# Altium PCB RF-BPF.PcbDoc (part 2 of 3)
Units mm, origin at the board's own origin, x right, y up, seen from the top; angles counter-clockwise.
Board outline 170 x 77.5 mm, 2 copper layers (Top Layer, Top, Bottom Layer, Bottom), stack 1.671 mm thick; 222 components, 128 nets, 706 pads, 1611 vias.
Unrouted connection lines stored in the file: 29.
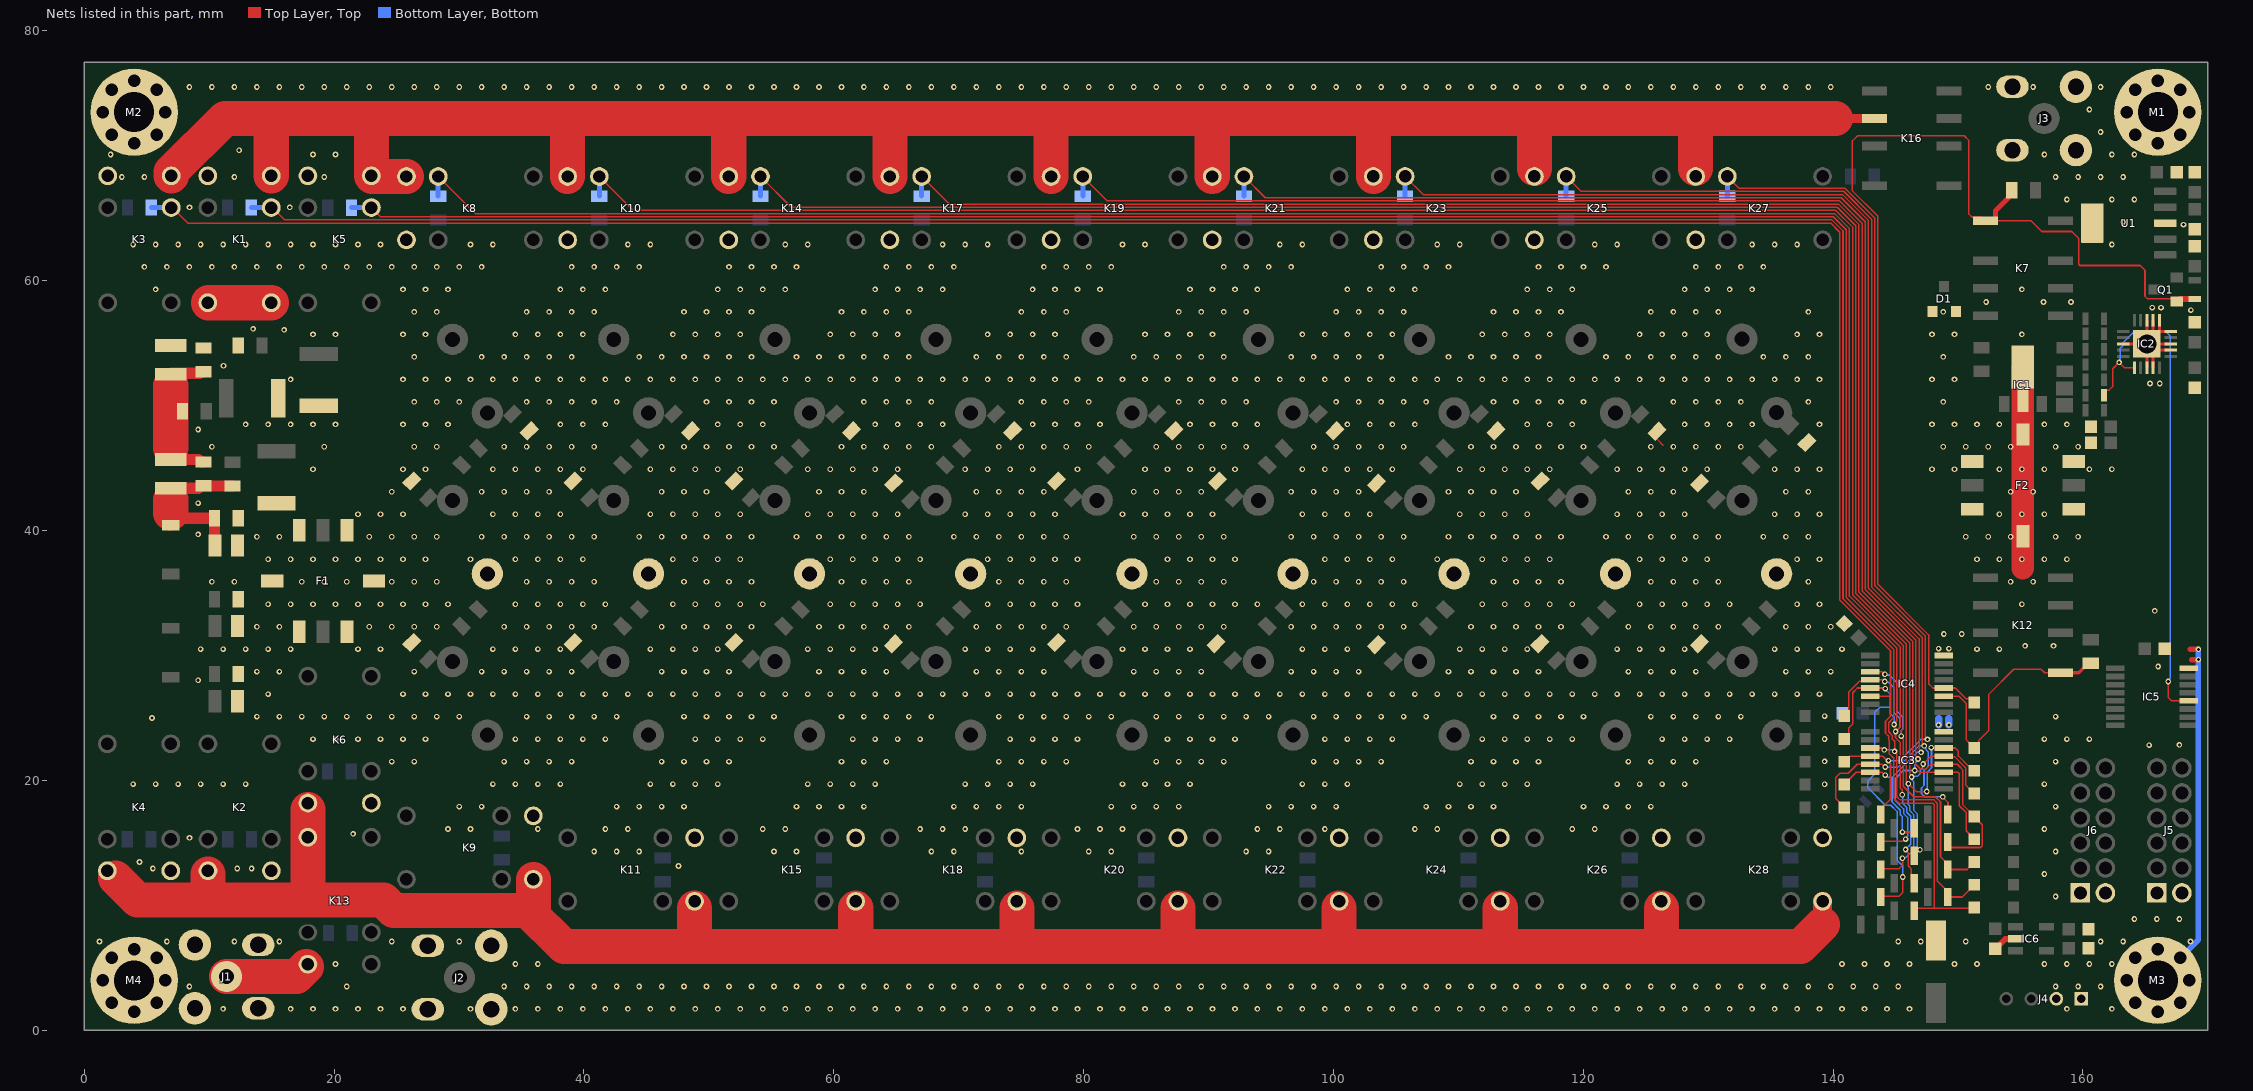
[diagram p2: the nets of this part, all layers, seen from the top]

## Via types
v1: diameter 0.45, hole 0.25, Top Layer, Top to Bottom Layer, Bottom, tented both sides, 1611 vias

## Nets (pads, with @x,y where several pads share a name; then routed paths per layer and width w, separated by ;. In a path a pad name is that pad's centre, name@x,y a point inside that pad or via, vN(x,y) a via of type N, cw(c..) or ccw(c..) an arc to the next point about the centre after c; other vN are vias at no path point) (continued)
ATT_16: IC2.1 IC5.12 R4.1 | length 41.4
  Top Layer, Top w0.127: R4.1@161.7,50.85 161.7,51.063 161.887,51.25 162.1,51.25 162.395,51.544 162.395,52.968 v1(162.9,53.473) ; v1@162.863,53.437 162.936,53.437 163.323,53.05 IC2.1@164.125,53.05 ; v1(166.838,27.92) 166.838,26.637 167.1,26.375 IC5.12@168.46,26.375
  Bottom Layer, Bottom w0.127: v1(162.9,53.473) 162.961,53.535 162.961,53.711 163,53.75 163,54.594 163.249,54.842 163.249,55.071 164.078,55.9 166.675,55.9 167,55.575 167,28.156 166.838,27.994 v1(166.838,27.92)
BPF_IN: K1.10 K3.10 K5.10 K8.10 K10.10 K14.10 K16.6 K17.10 K19.10 K21.10 K23.10 K25.10 K27.10 | length 186.3
  Top Layer, Top w0.7: 140.2,73 K16.6@143.3,73
  Top Layer, Top w2.814: K3.10@6.965,68.405 6.965,68.702 11.263,73 14.978,73 ; K1.10@14.978,68.405 14.978,73 ; K8.10@25.8,68.35 23.045,68.35 K5.10@22.99,68.405 22.99,73 ; K10.10@38.7,68.35 38.7,73 ; K14.10@51.6,68.35 51.6,73 ; K17.10@64.5,68.35 64.5,73 ; K19.10@77.4,68.35 77.4,73 ; K21.10@90.3,68.35 90.3,73 ; K23.10@103.2,68.354 103.2,73 ; K25.10@116.095,69 116.095,73 ; K27.10@129,69 129,73 ; 140.2,73 129,73 ; 14.978,73 22.99,73 ; 22.99,73 38.7,73 ; 38.7,73 51.6,73 ; 51.6,73 64.5,73 ; 64.5,73 77.4,73 ; 77.4,73 90.3,73 ; 90.3,73 103.2,73 ; 103.2,73 116.095,73 ; 116.095,73 129,73
BPF_OFF: C13.1 D13.2 IC4.6 K3.9 L10.1 | length 201.7
  Top Layer, Top w0.127: K3.9@6.965,65.865 7.04,65.865 8.285,64.619 139.805,64.619 140.546,63.879 140.546,34.443 144.602,30.387 144.602,26.75 ; IC4.6@142.99,26.75 144.602,26.75 ; L10.1@146.5,9.575 146.685,9.76 148.09,9.76 ; D13.2@151.3,9.825 151.235,9.76 148.09,9.76 ; 144.602,26.75 144.602,25.143 144.196,24.737 144.196,23.792 144.45,23.538 144.45,23.251 144.514,23.186 144.514,22.111 144.852,21.773 144.852,18.598 145.025,18.425 145.26,18.19 147.979,18.19 148.09,18.079 148.09,9.76
  Bottom Layer, Bottom w0.4: C13.1@5.375,65.865 K3.9@6.965,65.865
BPF_OUT: K2.10 K4.10 K6.10 K9.10 K11.10 K13.6 K15.10 K18.10 K20.10 K22.10 K24.10 K26.10 K28.10 | length 175
  Top Layer, Top w1.5: 139.16,8.46 K28.10@139.16,10.324
  Top Layer, Top w2.814: 2.5,12.2 4.275,10.425 9.925,10.425 ; K2.10@9.91,12.514 9.91,10.44 9.925,10.425 ; K6.10@17.91,17.689 K13.6@17.91,15.455 17.91,10.425 ; 35.35,9.75 35.5,9.6 ; 35.955,9.78 K9.10@35.955,12.085 ; K11.10@48.86,9.775 48.86,6.715 48.875,6.7 ; K15.10@61.76,9.775 61.76,6.74 61.8,6.7 ; K18.10@74.66,9.775 74.66,6.715 74.675,6.7 ; K20.10@87.56,9.775 87.56,6.765 87.625,6.7 ; K22.10@100.46,9.775 100.46,6.71 100.45,6.7 ; K24.10@113.36,9.775 113.36,6.735 113.325,6.7 ; K26.10@126.26,9.775 126.26,6.76 126.2,6.7 ; 139.16,8.46 137.4,6.7 126.2,6.7 ; 9.925,10.425 17.91,10.425 ; 17.91,10.425 23.95,10.425 24.775,9.6 35.5,9.6 ; 35.5,9.6 38.4,6.7 48.875,6.7 ; 48.875,6.7 61.8,6.7 ; 61.8,6.7 74.675,6.7 ; 74.675,6.7 87.625,6.7 ; 87.625,6.7 100.45,6.7 ; 100.45,6.7 113.325,6.7 ; 113.325,6.7 126.2,6.7
BPF_OUT0: C8.1 D2.2 IC3.3 K1.9 L9.1 | length 191.4
  Top Layer, Top w0.127: K1.9@15.065,65.865 16.056,64.873 139.911,64.873 140.8,63.984 140.8,34.549 144.856,30.493 144.856,25.038 144.45,24.632 144.45,23.897 144.744,23.603 144.744,23.316 144.93,23.13 v1(144.93,22.325) ; IC3.3@142.99,22.6 143.875,22.6 144.024,22.451 v1(144.099,22.451) ; v1@144.925,22.325 144.925,22.27 145.106,22.089 145.106,18.704 145.365,18.444 148.084,18.444 148.344,18.184 148.344,11.956 149.2,11.1 L9.1@149.2,10.675 150.35,10.675 151.3,11.625 D2.2@151.3,11.65
  Bottom Layer, Bottom w0.127: v1(144.099,22.451) 144.716,22.451 144.843,22.325 v1(144.93,22.325)
  Bottom Layer, Bottom w0.4: C8.1@13.375,65.875 13.385,65.865 K1.9@14.978,65.865
BPF_OUT1: C96.1 D3.2 IC3.4 K27.9 L49.1 | length 70.7
  Top Layer, Top w0.127: K27.9@131.54,68.354 132.48,67.413 140.963,67.413 143.34,65.036 143.34,35.601 147.396,31.545 147.396,23.522 147.558,23.361 v1(147.558,23.286) ; D3.2@140.9,21.5 140.9,21.525 141.325,21.95 143.985,21.95 144.347,21.588 144.353,21.593 v1(144.429,21.593) ; L49.1@143.8,17.275 143.8,17.7 144.598,18.498 144.598,21.337 v1@144.385,21.549
  Bottom Layer, Bottom w0.127: v1(144.429,21.593) 145.343,21.593 147.036,23.286 v1(147.558,23.286)
  Bottom Layer, Bottom w0.4: C96.1@131.525,66.775 131.54,66.79 K27.9@131.54,68.354
BPF_OUT2: C89.1 D4.2 IC3.5 K25.9 L45.1 | length 89.9
  Top Layer, Top w0.127: K25.9@118.635,68.354 119.829,67.159 140.858,67.159 143.086,64.931 143.086,35.496 147.142,31.44 147.142,22.93 v1(147.304,22.768) ; D4.2@140.9,17.85 140.9,17.875 140.223,18.552 140.223,20.244 140.554,20.575 141.221,20.575 141.946,21.3 IC3.5@142.99,21.3 143.921,21.3 144.146,21.075 v1(144.175,21.075) ; v1(148.784,18.691) 148.784,18.654 149.2,18.238 L45.1@149.2,17.275
  Bottom Layer, Bottom w0.127: v1(144.175,21.075) 145.191,21.075 146.884,22.768 v1(147.304,22.768) 147.304,22.681 147.449,22.535 147.449,22.462 147.631,22.281 147.631,21.118 147.279,20.767 147.279,19.604 147.081,19.406 147.081,18.942 147.332,18.691 v1(148.784,18.691)
  Bottom Layer, Bottom w0.4: C89.1@118.635,66.775 K25.9@118.635,68.354
BPF_OUT3: C79.1 D5.2 IC3.6 K23.9 L41.1 | length 97.9
  Top Layer, Top w0.127: K23.9@105.74,68.354 107.189,66.905 140.752,66.905 142.832,64.826 142.832,35.39 146.888,31.334 146.888,22.486 147.05,22.324 v1(147.05,22.25) ; D5.2@140.9,19.675 140.9,19.7 141.85,20.65 IC3.6@142.99,20.65 143.921,20.65 144.145,20.426 v1(144.182,20.426)
  Top Layer, Top w0.2: v1(145.552,15.863) 146.3,15.863 146.5,16.063 L41.1@146.5,16.175
  Bottom Layer, Bottom w0.127: v1(144.182,20.426) 144.238,20.426 144.418,20.246 144.721,20.246 ; v1(145.552,15.863) 145.552,17.09 145.39,17.252 145.39,17.619 144.721,18.288 144.721,20.246 ; v1(147.05,22.25) 147.046,22.246 146.721,22.246 144.721,20.246
  Bottom Layer, Bottom w0.4: C79.1@105.74,66.775 K23.9@105.74,68.354
BPF_OUT4: C66.1 D9.2 IC3.11 K21.9 L37.1 | length 117.3
  Top Layer, Top w0.127: K21.9@92.84,68.35 94.538,66.651 140.647,66.651 142.578,64.721 142.578,35.285 146.634,31.229 146.634,21.952 146.796,21.79 v1(146.796,21.716) ; L37.1@143.8,15.075 143.87,15.144 145.57,15.144 145.732,15.306 v1(145.806,15.306) ; v1(146.542,20.796) 146.603,20.734 146.832,20.734 146.916,20.65 IC3.11@148.86,20.65 150,20.65 150.113,20.537 150.113,17.978 150.659,17.431 150.659,15.966 151.3,15.325 D9.2@151.3,15.3
  Bottom Layer, Bottom w0.127: v1(145.806,15.306) 145.806,15.38 145.968,15.542 145.968,17.034 145.644,17.357 145.644,17.724 144.975,18.393 144.975,20.141 145.63,20.796 146.446,20.796 v1@146.5,20.85 ; v1(146.542,20.796) 146.542,20.808 v1@146.5,20.85 ; v1(146.796,21.716) 146.796,21.638 146.542,21.384 146.542,20.892 v1@146.5,20.85
  Bottom Layer, Bottom w0.4: C66.1@92.84,66.775 K21.9@92.84,68.35
BPF_OUT5: C58.1 D8.2 IC3.12 K19.9 L33.1 | length 124.7
  Top Layer, Top w0.127: K19.9@79.94,68.35 81.892,66.397 140.542,66.397 142.324,64.615 142.324,35.18 146.38,31.124 146.38,21.545 147.021,20.904 147.429,20.904 147.8,21.275 IC3.12@148.885,21.275 ; IC3.12@148.86,21.3 149.941,21.3 150.151,21.089 150.367,20.874 150.367,18.083 151.3,17.15 D8.2@151.3,17.125 151.3,17.1 151.94,16.46 151.94,14.746 151.829,14.635 149.437,14.635 149.2,14.871 L33.1@149.2,15.075
  Bottom Layer, Bottom w0.4: C58.1@79.94,66.775 K19.9@79.94,68.35
BPF_OUT6: C50.1 D7.2 IC3.13 K17.9 L29.1 | length 139.2
  Top Layer, Top w0.127: K17.9@67.04,68.35 69.246,66.143 140.437,66.143 142.07,64.51 142.07,35.075 146.126,31.019 146.126,20.527 146.288,20.365 v1(146.288,20.278) ; v1(147.215,21.32) 147.846,21.95 IC3.13@148.86,21.95 148.898,21.912 149.716,21.912 150.405,21.222 150.621,21.007 150.621,19.629 150.888,19.362 150.913,19.362 151.3,18.975 D7.2@151.3,18.95
  Top Layer, Top w0.3: L29.1@146.5,13.975 146.5,14.302 146.65,14.452 v1(146.948,14.452)
  Bottom Layer, Bottom w0.127: v1(146.948,14.452) 146.948,14.494 146.73,14.712 146.73,17.35 146.449,17.63 146.449,19.913 146.349,20.013 146.349,20.216 v1(146.288,20.278) 146.349,20.34 146.765,20.34 146.98,20.555 146.98,20.827 147.177,21.024 147.177,21.282 v1(147.215,21.32)
  Bottom Layer, Bottom w0.4: C50.1@67.04,66.775 K17.9@67.04,68.35
BPF_OUT7: C41.1 D6.2 IC3.14 K14.9 L25.1 | length 156.3
  Top Layer, Top w0.127: K14.9@54.14,68.35 56.6,65.889 140.332,65.889 141.816,64.405 141.816,34.97 145.872,30.914 145.872,19.903 146.661,19.114 v1(147.497,19.114) ; L25.1@143.8,12.875 143.87,12.945 145.294,12.945 145.584,13.234 145.584,13.742 v1(145.552,13.775) ; v1(147.865,22.634) 148.826,22.634 IC3.14@148.86,22.6 149.775,22.6 150.035,22.34 150.035,21.952 150.801,21.187 150.913,21.187 151.3,20.8 D6.2@151.3,20.775
  Bottom Layer, Bottom w0.127: v1(145.552,13.775) 145.607,13.83 145.83,13.83 146.475,14.475 146.475,14.782 146.476,17.244 146.152,17.567 146.152,17.934 146.034,18.053 v1(146.034,19.741) ; v1(147.497,19.114) 147.533,19.151 147.533,20.662 147.885,21.013 147.885,22.614 v1(147.865,22.634)
  Bottom Layer, Bottom w0.4: C41.1@54.14,66.775 K14.9@54.14,68.35
BPF_OUT8: C31.1 D10.2 IC4.3 K10.9 L20.1 | length 169.3
  Top Layer, Top w0.127: K10.9@41.24,68.35 43.954,65.635 140.226,65.635 141.562,64.3 141.562,34.864 145.618,30.808 145.618,24.165 145.456,24.004 145.456,23.669 145.525,23.6 v1@145.475,23.55 ; IC4.3@142.99,28.7 143.921,28.7 144.117,28.503 v1(144.153,28.503) ; v1(145.456,23.55) 145.456,23.476 145.618,23.314 145.618,19.532 146.452,18.698 148.189,18.698 148.598,18.289 148.598,13.902 149.2,13.3 L20.1@149.2,12.875 ; L20.1@149.437,12.459 149.2,12.695 L20.1@149.2,12.875 ; D10.2@151.3,13.475 151.3,13.45 150.725,12.875 L20.1@149.2,12.875
  Bottom Layer, Bottom w0.127: v1(144.153,28.503) 144.215,28.441 144.499,28.441 145.1,27.84 145.1,25.563 145.594,25.069 145.594,24.141 145.456,24.004 v1(145.456,23.55)
  Bottom Layer, Bottom w0.4: C31.1@41.24,66.775 K10.9@41.24,68.35
BPF_OUT9: C24.1 D11.2 IC4.4 K8.9 L16.1 | length 181.7
  Top Layer, Top w0.127: K8.9@28.34,68.35 31.308,65.381 140.121,65.381 141.308,64.195 141.308,34.759 145.364,30.703 145.364,24.271 v1@144.998,23.904 ; D11.2@140.9,25.15 141.25,25.5 141.25,27.075 142.134,27.959 142.899,27.959 IC4.4@142.99,28.05 143.932,28.05 144.056,27.926 v1(144.143,27.926) ; v1(145.014,23.92) v1@144.998,23.904 ; v1(145.537,18.86) 145.537,19.254 145.364,19.427 145.364,23.055 144.998,23.421 v1@144.998,23.904 ; v1(145.809,14.475) 145.809,14.388 146.01,14.187 146.01,13.171 146.264,12.917 146.264,12.011 L16.1@146.5,11.775
  Bottom Layer, Bottom w0.127: v1(144.143,27.926) 144.194,27.875 144.425,27.875 144.846,27.454 144.846,25.458 145.34,24.964 145.34,24.246 v1(145.014,23.92) ; v1(145.537,18.86) 145.593,18.804 145.593,18.135 145.898,17.829 145.898,17.462 146.222,17.139 146.222,14.887 v1(145.809,14.475)
  Bottom Layer, Bottom w0.4: C24.1@28.34,66.775 K8.9@28.34,68.35
DAC: J1.5 K13.10 | length 6.7
  Top Layer, Top w2.814: J1.5@11.4,4.3 16.991,4.3 K13.10@17.78,5.089
GND: C10.2 C11.2 C12.2 C19.1 C20.1 C25.2 C26.2 C28.2 C32.2 C33.2 C35.2 C42.2 C43.2 C45.2 C46.2 C47.2 C51.2 C52.2 C54.2 C55.2 C59.2 C60.2 C62.2 C63.2 C67.2 C68.2 C70.2 C71.2 C72.1 C73.1 C74.1 C75.1 C78.2 C80.2 C81.2 C83.2 C84.1 C85.1 C86.1 C90.2 C91.2 C93.2 C97.2 C98.2 C100.2 D1.1 D1.2 F1.1 F1.3 F1.4 F1.5 F1.7 F1.8 F2.1 F2.3 F2.4 F2.5 F2.7 F2.8 IC1.2 IC1.4 IC2.3 IC2.4 IC2.7 IC2.8 IC2.10 IC2.11 IC2.12 IC2.13 IC2.18 IC2.21 IC3.16 IC4.16 IC5.16 IC6.2 J1.1 J1.2 J1.3 J1.4 J2.1 J2.2 J2.3 J2.4 J3.1 J3.2 J3.3 J3.4 J4.1 J4.2 J5.1 J5.2 J6.1 J6.2 K1.1 K2.1 K3.1 K4.1 K5.1 K6.1 K8.1 K9.1 K10.1 K11.1 K14.1 K15.1 K17.1 K18.1 K19.1 K20.1 K21.1 K22.1 K23.1 K24.1 K25.1 K26.1 K27.1 K28.1 L3.1 L4.1 L5.1 L6.1 L7.1 L8.1 L15.1 L19.1 L24.1 L28.1 L32.1 L36.1 L40.1 L44.1 L48.1 M1.1 M2.1 M3.1 M4.1 pad. U1.3 U1.6 | length 65.1
  Top Layer, Top w0.127: C90.2@125.897,47.953 125.861,47.917 125.861,47.371 126.395,46.836
  Top Layer, Top w0.254: IC2.18@163.225,54.95 pad.@165.125,54.95 ; IC2.3@165.125,53.05 pad.@165.125,54.95 ; IC2.13@165.125,56.85 pad.@165.125,54.95 ; IC2.4@165.625,53.05 pad.@165.625,54.45 ; IC2.12@165.625,56.85 pad.@165.625,55.45 ; IC2.11@166.125,56.85 IC2.21@166.125,55.95 ; IC2.7@167.025,54.45 pad.@165.625,54.45 ; IC2.8@167.025,54.95 pad.@165.125,54.95 ; IC2.10@167.025,55.95 IC2.21@166.125,55.95 ; pad.@165.125,54.95 pad.@165.625,54.45 ; pad.@165.125,54.95 pad.@165.625,55.45 ; pad.@165.625,55.45 IC2.21@166.125,55.95
  Top Layer, Top w0.45: C84.1@153,6.525 153.789,7.314 154.589,7.314 IC6.2@154.6,7.325 ; 168.6,30.5 v1(169.25,30.5) ; 168.725,29.675 v1(169.25,29.675)
  Top Layer, Top w1.8: 155.2,36.975 F2.4@155.2,39.56 F2.8@155.2,47.69 IC1.2@155.2,50.435 IC1.4@155.2,53.1
  Bottom Layer, Bottom w0.45: M3.1@166,4 M3.1@167.8,5.8 169.25,7.25 v1(169.25,29.675) v1(169.25,30.5)
  Bottom Layer, Bottom w0.6: v1(148.45,24.45) 148.45,24.925 ; v1(149.275,24.45) 149.275,24.925
  other v1: 11.12,1.711 16.52,1.711 18.32,1.711 20.12,1.711 21.92,1.711 23.72,1.711 25.52,1.711 30.92,1.711 34.52,1.711 36.32,1.711 38.12,1.711 39.92,1.711 41.72,1.711 43.52,1.711 45.32,1.711 47.12,1.711 48.92,1.711 50.72,1.711 52.52,1.711 54.32,1.711 56.12,1.711 57.92,1.711 59.72,1.711 61.52,1.711 63.32,1.711 65.12,1.711 66.92,1.711 68.72,1.711 70.52,1.711 72.32,1.711 74.12,1.711 75.92,1.711 77.72,1.711 79.52,1.711 81.32,1.711 83.12,1.711 84.92,1.711 86.72,1.711 88.52,1.711 90.32,1.711 92.12,1.711 93.92,1.711 95.72,1.711 97.52,1.711 99.32,1.711 101.12,1.711 102.92,1.711 104.72,1.711 106.52,1.711 108.32,1.711 110.12,1.711 111.92,1.711 113.72,1.711 115.52,1.711 117.32,1.711 119.12,1.711 120.92,1.711 122.72,1.711 124.52,1.711 126.32,1.711 128.12,1.711 129.92,1.711 131.72,1.711 133.52,1.711 135.32,1.711 137.12,1.711 138.92,1.711 140.72,1.711 142.52,1.711 144.32,1.711 146.12,1.711 158.72,1.711 162.32,1.711 8.42,3.511 21.02,3.511 33.62,3.511 35.42,3.511 37.22,3.511 39.02,3.511 40.82,3.511 42.62,3.511 44.42,3.511 46.22,3.511 48.02,3.511 49.82,3.511 51.62,3.511 53.42,3.511 55.22,3.511 57.02,3.511 58.82,3.511 60.62,3.511 62.42,3.511 64.22,3.511 66.02,3.511 67.82,3.511 69.62,3.511 71.42,3.511 73.22,3.511 75.02,3.511 76.82,3.511 78.62,3.511 80.42,3.511 82.22,3.511 84.02,3.511 85.82,3.511 87.62,3.511 89.42,3.511 91.22,3.511 93.02,3.511 94.82,3.511 96.62,3.511 98.42,3.511 100.22,3.511 102.02,3.511 103.82,3.511 105.62,3.511 107.42,3.511 109.22,3.511 111.02,3.511 112.82,3.511 114.62,3.511 116.42,3.511 118.22,3.511 120.02,3.511 121.82,3.511 123.62,3.511 125.42,3.511 127.22,3.511 129.02,3.511 130.82,3.511 132.62,3.511 134.42,3.511 136.22,3.511 138.02,3.511 139.82,3.511 141.62,3.511 143.42,3.511 145.22,3.511 157.82,3.511 159.62,3.511 161.42,3.511 20.12,5.311 34.52,5.311 36.32,5.311 140.72,5.311 142.52,5.311 144.32,5.311 146.12,5.311 149.72,5.311 151.52,5.311 156.92,5.311 158.72,5.311 160.52,5.311 162.32,5.311 1.22,7.111 6.62,7.111 12.02,7.111 15.62,7.111 24.62,7.111 30.02,7.111 145.22,7.111 147.02,7.111 150.62,7.111 161.42,7.111 163.22,7.111 168.62,7.111 164.12,8.911 165.92,8.911 167.72,8.911 157.82,10.711 156.92,12.511 5.5,12.95 12.25,12.95 13.4,12.95 47.575,13.15 4.425,13.475 40.82,14.311 42.62,14.311 44.42,14.311 55.22,14.311 57.02,14.311 67.82,14.311 69.62,14.311 75.02,14.311 80.42,14.311 82.22,14.311 93.02,14.311 94.82,14.311 157.82,14.311 8.425,15.4 21.525,15.725 29.12,16.111 30.92,16.111 36.32,16.111 41.72,16.111 43.52,16.111 54.32,16.111 56.12,16.111 66.92,16.111 68.72,16.111 70.52,16.111 79.52,16.111 81.32,16.111 83.12,16.111 93.92,16.111 95.72,16.111 99.32,16.111 106.52,16.111 108.32,16.111 119.12,16.111 120.92,16.111 156.92,16.111 139.325,17.875 30.02,17.911 31.82,17.911 42.62,17.911 44.42,17.911 46.22,17.911 48.02,17.911 57.02,17.911 58.82,17.911 60.62,17.911 62.42,17.911 69.62,17.911 71.42,17.911 73.22,17.911 75.02,17.911 82.22,17.911 84.02,17.911 85.82,17.911 87.62,17.911 94.82,17.911 96.62,17.911 98.42,17.911 100.22,17.911 107.42,17.911 109.22,17.911 111.02,17.911 112.82,17.911 120.02,17.911 121.82,17.911 123.62,17.911 125.42,17.911 157.82,17.911 3.92,19.711 5.72,19.711 7.52,19.711 9.32,19.711 11.12,19.711 12.92,19.711 32.72,19.711 34.52,19.711 36.32,19.711 38.12,19.711 45.32,19.711 47.12,19.711 48.92,19.711 50.72,19.711 57.92,19.711 59.72,19.711 61.52,19.711 63.32,19.711 70.52,19.711 72.32,19.711 74.12,19.711 75.92,19.711 83.12,19.711 84.92,19.711 86.72,19.711 88.52,19.711 97.52,19.711 99.32,19.711 101.12,19.711 110.12,19.711 111.92,19.711 113.72,19.711 115.52,19.711 122.72,19.711 124.52,19.711 126.32,19.711 128.12,19.711 139.325,19.7 156.92,19.711 24.62,21.511 26.42,21.511 33.62,21.511 35.42,21.511 37.22,21.511 39.02,21.511 46.22,21.511 48.02,21.511 49.82,21.511 51.62,21.511 60.62,21.511 62.42,21.511 64.22,21.511 73.22,21.511 75.02,21.511 76.82,21.511 78.62,21.511 85.82,21.511 87.62,21.511 89.42,21.511 91.22,21.511 98.42,21.511 100.22,21.511 102.02,21.511 103.82,21.511 111.02,21.511 112.82,21.511 114.62,21.511 116.42,21.511 123.62,21.511 125.42,21.511 127.22,21.511 129.02,21.511 157.82,21.511 139.325,21.525 165.3,22.825 167.725,22.85 18.32,23.311 20.12,23.311 21.92,23.311 23.72,23.311 25.52,23.311 27.32,23.311 34.52,23.311 36.32,23.311 38.12,23.311 39.92,23.311 41.72,23.311 48.92,23.311 50.72,23.311 52.52,23.311 54.32,23.311 61.52,23.311 63.32,23.311 65.12,23.311 66.92,23.311 74.12,23.311 75.92,23.311 77.72,23.311 79.52,23.311 86.72,23.311 88.52,23.311 90.32,23.311 92.12,23.311 99.32,23.311 101.12,23.311 102.92,23.311 104.72,23.311 111.92,23.311 113.72,23.311 115.52,23.311 117.32,23.311 119.12,23.311 126.32,23.311 128.12,23.311 129.92,23.311 131.72,23.311 156.92,23.311 158.72,23.311 160.52,23.311 139.325,23.325 5.425,25 13.82,25.111 15.62,25.111 17.42,25.111 19.22,25.111 21.02,25.111 22.82,25.111 24.62,25.111 26.42,25.111 28.22,25.111 30.02,25.111 35.42,25.111 37.22,25.111 39.02,25.111 40.82,25.111 42.62,25.111 48.02,25.111 49.82,25.111 51.62,25.111 53.42,25.111 55.22,25.111 60.62,25.111 62.42,25.111 64.22,25.111 66.02,25.111 67.82,25.111 73.22,25.111 75.02,25.111 76.82,25.111 78.62,25.111 80.42,25.111 82.22,25.111 85.82,25.111 87.62,25.111 89.42,25.111 91.22,25.111 93.02,25.111 94.82,25.111 98.42,25.111 100.22,25.111 102.02,25.111 103.82,25.111 105.62,25.111 107.42,25.111 112.82,25.111 114.62,25.111 116.42,25.111 118.22,25.111 120.02,25.111 125.42,25.111 127.22,25.111 129.02,25.111 130.82,25.111 132.62,25.111 157.82,25.111 139.325,25.15 14.72,26.911 25.52,26.911 27.32,26.911 29.12,26.911 30.92,26.911 32.72,26.911 34.52,26.911 36.32,26.911 38.12,26.911 39.92,26.911 41.72,26.911 43.52,26.911 45.32,26.911 47.12,26.911 48.92,26.911 50.72,26.911 52.52,26.911 54.32,26.911 56.12,26.911 57.92,26.911 59.72,26.911 61.52,26.911 63.32,26.911 65.12,26.911 66.92,26.911 68.72,26.911 70.52,26.911 72.32,26.911 74.12,26.911 75.92,26.911 77.72,26.911 79.52,26.911 81.32,26.911 83.12,26.911 84.92,26.911 86.72,26.911 88.52,26.911 90.32,26.911 92.12,26.911 93.92,26.911 95.72,26.911 97.52,26.911 99.32,26.911 101.12,26.911 102.92,26.911 104.72,26.911 106.52,26.911 108.32,26.911 110.12,26.911 111.92,26.911 113.72,26.911 115.52,26.911 117.32,26.911 119.12,26.911 120.92,26.911 122.72,26.911 124.52,26.911 126.32,26.911 128.12,26.911 129.92,26.911 131.72,26.911 133.52,26.911 135.32,26.911 137.12,26.911 138.92,26.911 9.125,28.025 13.82,28.711 15.62,28.711 26.42,28.711 31.82,28.711 33.62,28.711 35.42,28.711 37.22,28.711 39.02,28.711 46.22,28.711 48.02,28.711 49.82,28.711 51.62,28.711 58.82,28.711 60.62,28.711 62.42,28.711 64.22,28.711 71.42,28.711 73.22,28.711 75.02,28.711 76.82,28.711 84.02,28.711 85.82,28.711 87.62,28.711 89.42,28.711 96.62,28.711 98.42,28.711 100.22,28.711 102.02,28.711 109.22,28.711 111.02,28.711 112.82,28.711 114.62,28.711 116.42,28.711 123.62,28.711 125.42,28.711 127.22,28.711 129.02,28.711 136.22,28.711 138.02,28.711 139.82,28.711 166.025,29.125 9.32,30.511 11.12,30.511 12.92,30.511 14.72,30.511 16.52,30.511 21.92,30.511 23.72,30.511 32.72,30.511 34.52,30.511 36.32,30.511 38.12,30.511 45.32,30.511 47.12,30.511 48.92,30.511 50.72,30.511 57.92,30.511 59.72,30.511 61.52,30.511 63.32,30.511 70.52,30.511 72.32,30.511 74.12,30.511 75.92,30.511 83.12,30.511 84.92,30.511 86.72,30.511 88.52,30.511 97.52,30.511 99.32,30.511 101.12,30.511 110.12,30.511 111.92,30.511 113.72,30.511 115.52,30.511 122.72,30.511 124.52,30.511 126.32,30.511 128.12,30.511 135.32,30.511 137.12,30.511 138.92,30.511 140.72,30.511 151.52,30.511 153.32,30.511 148.45,30.55 149.275,30.55 155.375,30.775 157.65,30.775 148.875,31.725 150.3,31.725 13.82,32.311 15.62,32.311 22.82,32.311 24.62,32.311 26.42,32.311 28.22,32.311 33.62,32.311 35.42,32.311 37.22,32.311 39.02,32.311 40.82,32.311 46.22,32.311 48.02,32.311 49.82,32.311 51.62,32.311 53.42,32.311 58.82,32.311 60.62,32.311 62.42,32.311 64.22,32.311 66.02,32.311 71.42,32.311 73.22,32.311 75.02,32.311 76.82,32.311 78.62,32.311 84.02,32.311 85.82,32.311 87.62,32.311 89.42,32.311 91.22,32.311 96.62,32.311 98.42,32.311 100.22,32.311 102.02,32.311 103.82,32.311 105.62,32.311 111.02,32.311 112.82,32.311 114.62,32.311 116.42,32.311 118.22,32.311 123.62,32.311 125.42,32.311 127.22,32.311 129.02,32.311 130.82,32.311 136.22,32.311 138.02,32.311 139.82,32.311 165.75,33.575 14.72,34.111 16.52,34.111 18.32,34.111 20.12,34.111 21.92,34.111 23.72,34.111 25.52,34.111 27.32,34.111 29.12,34.111 34.52,34.111 36.32,34.111 38.12,34.111 39.92,34.111 41.72,34.111 47.12,34.111 48.92,34.111 50.72,34.111 52.52,34.111 54.32,34.111 59.72,34.111 61.52,34.111 63.32,34.111 65.12,34.111 66.92,34.111 72.32,34.111 74.12,34.111 75.92,34.111 77.72,34.111 79.52,34.111 84.92,34.111 86.72,34.111 88.52,34.111 90.32,34.111 92.12,34.111 93.92,34.111 97.52,34.111 99.32,34.111 101.12,34.111 102.92,34.111 104.72,34.111 106.52,34.111 111.92,34.111 113.72,34.111 115.52,34.111 117.32,34.111 119.12,34.111 124.52,34.111 126.32,34.111 128.12,34.111 129.92,34.111 131.72,34.111 137.12,34.111 138.92,34.111 155.12,34.111 10.22,35.911 12.02,35.911 17.42,35.911 19.22,35.911 21.02,35.911 24.62,35.911 26.42,35.911 28.22,35.911 35.42,35.911 37.22,35.911 39.02,35.911 40.82,35.911 48.02,35.911 49.82,35.911 51.62,35.911 53.42,35.911 60.62,35.911 62.42,35.911 64.22,35.911 66.02,35.911 73.22,35.911 75.02,35.911 76.82,35.911 78.62,35.911 85.82,35.911 87.62,35.911 89.42,35.911 91.22,35.911 98.42,35.911 100.22,35.911 102.02,35.911 103.82,35.911 105.62,35.911 112.82,35.911 114.62,35.911 116.42,35.911 118.22,35.911 125.42,35.911 127.22,35.911 129.02,35.911 130.82,35.911 138.02,35.911 154.22,35.911 156.02,35.911 14.72,37.711 16.52,37.711 18.32,37.711 20.12,37.711 21.92,37.711 23.72,37.711 25.52,37.711 27.32,37.711 30.92,37.711 34.52,37.711 36.32,37.711 38.12,37.711 39.92,37.711 47.12,37.711 48.92,37.711 50.72,37.711 52.52,37.711 59.72,37.711 61.52,37.711 63.32,37.711 65.12,37.711 66.92,37.711 72.32,37.711 74.12,37.711 75.92,37.711 77.72,37.711 79.52,37.711 86.72,37.711 88.52,37.711 90.32,37.711 92.12,37.711 99.32,37.711 101.12,37.711 102.92,37.711 104.72,37.711 108.32,37.711 111.92,37.711 113.72,37.711 115.52,37.711 117.32,37.711 124.52,37.711 126.32,37.711 128.12,37.711 129.92,37.711 137.12,37.711 138.92,37.711 151.52,37.711 153.32,37.711 155.12,37.711 156.92,37.711 158.72,37.711 13.82,39.511 15.62,39.511 22.82,39.511 24.62,39.511 26.42,39.511 28.22,39.511 31.82,39.511 33.62,39.511 35.42,39.511 37.22,39.511 39.02,39.511 40.82,39.511 44.42,39.511 46.22,39.511 48.02,39.511 49.82,39.511 51.62,39.511 53.42,39.511 57.02,39.511 58.82,39.511 60.62,39.511 62.42,39.511 64.22,39.511 66.02,39.511 69.62,39.511 71.42,39.511 73.22,39.511 75.02,39.511 76.82,39.511 78.62,39.511 84.02,39.511 85.82,39.511 87.62,39.511 89.42,39.511 91.22,39.511 96.62,39.511 98.42,39.511 100.22,39.511 102.02,39.511 103.82,39.511 105.62,39.511 109.22,39.511 111.02,39.511 112.82,39.511 114.62,39.511 116.42,39.511 118.22,39.511 121.82,39.511 123.62,39.511 125.42,39.511 127.22,39.511 129.02,39.511 130.82,39.511 134.42,39.511 136.22,39.511 138.02,39.511 150.62,39.511 152.42,39.511 154.22,39.511 157.82,39.511 159.62,39.511 9.125,39.7 21.92,41.311 23.72,41.311 25.52,41.311 32.72,41.311 34.52,41.311 36.32,41.311 38.12,41.311 45.32,41.311 47.12,41.311 48.92,41.311 50.72,41.311 52.52,41.311 57.92,41.311 59.72,41.311 61.52,41.311 63.32,41.311 65.12,41.311 70.52,41.311 72.32,41.311 74.12,41.311 75.92,41.311 77.72,41.311 83.12,41.311 84.92,41.311 86.72,41.311 88.52,41.311 90.32,41.311 97.52,41.311 99.32,41.311 101.12,41.311 102.92,41.311 110.12,41.311 111.92,41.311 113.72,41.311 115.52,41.311 122.72,41.311 124.52,41.311 126.32,41.311 128.12,41.311 135.32,41.311 137.12,41.311 138.92,41.311 153.32,41.311 155.12,41.311 156.92,41.311 9.125,42.2 24.62,43.111 31.82,43.111 33.62,43.111 35.42,43.111 37.22,43.111 46.22,43.111 48.02,43.111 49.82,43.111 58.82,43.111 60.62,43.111 62.42,43.111 71.42,43.111 73.22,43.111 75.02,43.111 76.82,43.111 84.02,43.111 85.82,43.111 87.62,43.111 89.42,43.111 96.62,43.111 98.42,43.111 100.22,43.111 102.02,43.111 109.22,43.111 111.02,43.111 112.82,43.111 114.62,43.111 123.62,43.111 125.42,43.111 127.22,43.111 136.22,43.111 138.02,43.111 154.22,43.111 156.02,43.111 18.32,44.911 25.52,44.911 27.32,44.911 32.72,44.911 34.52,44.911 36.32,44.911 38.12,44.911 39.92,44.911 45.32,44.911 47.12,44.911 48.92,44.911 50.72,44.911 52.52,44.911 57.92,44.911 59.72,44.911 61.52,44.911 63.32,44.911 65.12,44.911 70.52,44.911 72.32,44.911 74.12,44.911 75.92,44.911 79.52,44.911 84.92,44.911 86.72,44.911 88.52,44.911 90.32,44.911 92.12,44.911 97.52,44.911 99.32,44.911 101.12,44.911 102.92,44.911 104.72,44.911 110.12,44.911 111.92,44.911 113.72,44.911 115.52,44.911 117.32,44.911 122.72,44.911 124.52,44.911 126.32,44.911 128.12,44.911 129.92,44.911 135.32,44.911 137.12,44.911 138.92,44.911 147.92,44.911 149.72,44.911 153.32,44.911 155.12,44.911 156.92,44.911 160.52,44.911 162.32,44.911 10.22,46.711 19.22,46.711 26.42,46.711 28.22,46.711 33.62,46.711 35.42,46.711 37.22,46.711 39.02,46.711 40.82,46.711 46.22,46.711 48.02,46.711 49.82,46.711 51.62,46.711 53.42,46.711 55.22,46.711 60.62,46.711 62.42,46.711 64.22,46.711 66.02,46.711 67.82,46.711 73.22,46.711 75.02,46.711 76.82,46.711 78.62,46.711 80.42,46.711 85.82,46.711 87.62,46.711 89.42,46.711 91.22,46.711 93.02,46.711 98.42,46.711 100.22,46.711 102.02,46.711 103.82,46.711 105.62,46.711 111.02,46.711 112.82,46.711 114.62,46.711 116.42,46.711 118.22,46.711 120.02,46.711 125.42,46.711 127.22,46.711 129.02,46.711 130.82,46.711 132.62,46.711 148.82,46.711 150.62,46.711 152.42,46.711 154.22,46.711 157.82,46.711 159.62,46.711 9.125,48.1 12.92,48.511 14.72,48.511 16.52,48.511 18.32,48.511 20.12,48.511 25.52,48.511 27.32,48.511 29.12,48.511 38.12,48.511 39.92,48.511 41.72,48.511 50.72,48.511 52.52,48.511 54.32,48.511 63.32,48.511 65.12,48.511 66.92,48.511 68.72,48.511 75.92,48.511 77.72,48.511 79.52,48.511 81.32,48.511 88.52,48.511 90.32,48.511 92.12,48.511 93.92,48.511 101.12,48.511 102.92,48.511 104.72,48.511 106.52,48.511 115.52,48.511 117.32,48.511 119.12,48.511 128.12,48.511 129.92,48.511 131.72,48.511 133.52,48.511 138.92,48.511 147.92,48.511 149.72,48.511 151.52,48.511 153.32,48.511 156.92,48.511 158.72,48.511 26.42,50.311 28.22,50.311 30.02,50.311 35.42,50.311 37.22,50.311 39.02,50.311 40.82,50.311 42.62,50.311 49.82,50.311 51.62,50.311 53.42,50.311 55.22,50.311 62.42,50.311 64.22,50.311 66.02,50.311 67.82,50.311 75.02,50.311 76.82,50.311 78.62,50.311 80.42,50.311 87.62,50.311 89.42,50.311 91.22,50.311 93.02,50.311 100.22,50.311 102.02,50.311 103.82,50.311 105.62,50.311 107.42,50.311 112.82,50.311 114.62,50.311 116.42,50.311 118.22,50.311 120.02,50.311 127.22,50.311 129.02,50.311 130.82,50.311 132.62,50.311 138.02,50.311 148.82,50.311 165.375,51.775 166.15,51.775 16.52,52.111 25.52,52.111 27.32,52.111 29.12,52.111 30.92,52.111 32.72,52.111 34.52,52.111 36.32,52.111 38.12,52.111 39.92,52.111 41.72,52.111 43.52,52.111 45.32,52.111 47.12,52.111 48.92,52.111 50.72,52.111 52.52,52.111 54.32,52.111 56.12,52.111 57.92,52.111 59.72,52.111 61.52,52.111 63.32,52.111 65.12,52.111 66.92,52.111 68.72,52.111 70.52,52.111 72.32,52.111 74.12,52.111 75.92,52.111 77.72,52.111 79.52,52.111 81.32,52.111 83.12,52.111 84.92,52.111 86.72,52.111 88.52,52.111 90.32,52.111 92.12,52.111 93.92,52.111 95.72,52.111 97.52,52.111 99.32,52.111 101.12,52.111 102.92,52.111 104.72,52.111 106.52,52.111 108.32,52.111 110.12,52.111 111.92,52.111 113.72,52.111 115.52,52.111 117.32,52.111 119.12,52.111 120.92,52.111 122.72,52.111 124.52,52.111 126.32,52.111 128.12,52.111 129.92,52.111 131.72,52.111 133.52,52.111 135.32,52.111 137.12,52.111 138.92,52.111 147.92,52.111 149.72,52.111 11.15,53.2 26.42,53.911 31.82,53.911 33.62,53.911 35.42,53.911 37.22,53.911 39.02,53.911 44.42,53.911 46.22,53.911 48.02,53.911 49.82,53.911 51.62,53.911 53.42,53.911 57.02,53.911 58.82,53.911 60.62,53.911 62.42,53.911 64.22,53.911 66.02,53.911 71.42,53.911 73.22,53.911 75.02,53.911 76.82,53.911 78.62,53.911 84.02,53.911 85.82,53.911 87.62,53.911 89.42,53.911 91.22,53.911 96.62,53.911 98.42,53.911 100.22,53.911 102.02,53.911 103.82,53.911 109.22,53.911 111.02,53.911 112.82,53.911 114.62,53.911 116.42,53.911 121.82,53.911 123.62,53.911 125.42,53.911 127.22,53.911 129.02,53.911 130.82,53.911 134.42,53.911 136.22,53.911 138.02,53.911 148.82,53.911 18.32,55.711 20.12,55.711 25.52,55.711 27.32,55.711 34.52,55.711 36.32,55.711 38.12,55.711 39.92,55.711 47.12,55.711 48.92,55.711 50.72,55.711 52.52,55.711 59.72,55.711 61.52,55.711 63.32,55.711 65.12,55.711 72.32,55.711 74.12,55.711 75.92,55.711 77.72,55.711 84.92,55.711 86.72,55.711 88.52,55.711 90.32,55.711 97.52,55.711 99.32,55.711 101.12,55.711 102.92,55.711 104.72,55.711 111.92,55.711 113.72,55.711 115.52,55.711 117.32,55.711 124.52,55.711 126.32,55.711 128.12,55.711 129.92,55.711 137.12,55.711 138.92,55.711 147.92,55.711 149.72,55.711 155.12,55.711 16,56.075 13.525,56.15 26.42,57.511 28.22,57.511 35.42,57.511 37.22,57.511 39.02,57.511 40.82,57.511 48.02,57.511 49.82,57.511 51.62,57.511 53.42,57.511 60.62,57.511 62.42,57.511 64.22,57.511 66.02,57.511 75.02,57.511 76.82,57.511 78.62,57.511 87.62,57.511 89.42,57.511 91.22,57.511 93.02,57.511 100.22,57.511 102.02,57.511 103.82,57.511 105.62,57.511 112.82,57.511 114.62,57.511 116.42,57.511 118.22,57.511 125.42,57.511 127.22,57.511 129.02,57.511 130.82,57.511 138.02,57.511 148.82,57.511 168.65,57.65 165.55,57.85 166.25,57.85 152.25,58.3 156.85,58.3 159.05,58.3 5.72,59.311 25.52,59.311 27.32,59.311 29.12,59.311 38.12,59.311 39.92,59.311 41.72,59.311 50.72,59.311 52.52,59.311 54.32,59.311 56.12,59.311 63.32,59.311 65.12,59.311 66.92,59.311 68.72,59.311 75.92,59.311 77.72,59.311 79.52,59.311 81.32,59.311 88.52,59.311 90.32,59.311 92.12,59.311 93.92,59.311 101.12,59.311 102.92,59.311 104.72,59.311 106.52,59.311 115.52,59.311 117.32,59.311 119.12,59.311 128.12,59.311 129.92,59.311 131.72,59.311 133.52,59.311 155.12,59.311 4.82,61.111 6.62,61.111 8.42,61.111 10.22,61.111 12.02,61.111 13.82,61.111 15.62,61.111 17.42,61.111 19.22,61.111 21.02,61.111 22.82,61.111 24.62,61.111 26.42,61.111 28.22,61.111 30.02,61.111 31.82,61.111 39.02,61.111 40.82,61.111 42.62,61.111 44.42,61.111 51.62,61.111 53.42,61.111 55.22,61.111 57.02,61.111 64.22,61.111 66.02,61.111 67.82,61.111 69.62,61.111 76.82,61.111 78.62,61.111 80.42,61.111 82.22,61.111 91.22,61.111 93.02,61.111 94.82,61.111 96.62,61.111 103.82,61.111 105.62,61.111 107.42,61.111 109.22,61.111 116.42,61.111 118.22,61.111 120.02,61.111 121.82,61.111 129.02,61.111 130.82,61.111 132.62,61.111 134.42,61.111 3.92,62.911 5.72,62.911 7.52,62.911 9.32,62.911 11.12,62.911 12.92,62.911 14.72,62.911 16.52,62.911 18.32,62.911 20.12,62.911 21.92,62.911 23.72,62.911 30.92,62.911 32.72,62.911 43.52,62.911 45.32,62.911 56.12,62.911 57.92,62.911 68.72,62.911 70.52,62.911 72.32,62.911 83.12,62.911 84.92,62.911 95.72,62.911 97.52,62.911 108.32,62.911 110.12,62.911 120.92,62.911 122.72,62.911 133.52,62.911 135.32,62.911 137.12,62.911 162.32,62.911 168.05,64.5 163.22,64.711 8.425,65.875 16.45,65.875 158.72,66.511 162.32,66.511 164.12,66.511 3.02,68.311 4.82,68.311 12.02,68.311 19.22,68.311 157.82,68.311 159.62,68.311 161.42,68.311 163.22,68.311 2.12,70.111 18.32,70.111 20.12,70.111 156.92,70.111 162.32,70.111 164.12,70.111 12.4,70.45 161.42,71.911 160.52,73.711 8.42,75.511 10.22,75.511 12.02,75.511 13.82,75.511 15.62,75.511 17.42,75.511 19.22,75.511 21.02,75.511 22.82,75.511 24.62,75.511 26.42,75.511 28.22,75.511 30.02,75.511 31.82,75.511 33.62,75.511 35.42,75.511 37.22,75.511 39.02,75.511 40.82,75.511 42.62,75.511 44.42,75.511 46.22,75.511 48.02,75.511 49.82,75.511 51.62,75.511 53.42,75.511 55.22,75.511 57.02,75.511 58.82,75.511 60.62,75.511 62.42,75.511 64.22,75.511 66.02,75.511 67.82,75.511 69.62,75.511 71.42,75.511 73.22,75.511 75.02,75.511 76.82,75.511 78.62,75.511 80.42,75.511 82.22,75.511 84.02,75.511 85.82,75.511 87.62,75.511 89.42,75.511 91.22,75.511 93.02,75.511 94.82,75.511 96.62,75.511 98.42,75.511 100.22,75.511 102.02,75.511 103.82,75.511 105.62,75.511 107.42,75.511 109.22,75.511 111.02,75.511 112.82,75.511 114.62,75.511 116.42,75.511 118.22,75.511 120.02,75.511 121.82,75.511 123.62,75.511 125.42,75.511 127.22,75.511 129.02,75.511 130.82,75.511 132.62,75.511 134.42,75.511 136.22,75.511 138.02,75.511 139.82,75.511 152.42,75.511 156.02,75.511 161.42,75.511
HPF_OUT: C16.1 D12.2 IC4.5 K5.9 L12.1 | length 191.1
  Top Layer, Top w0.127: K5.9@22.99,65.865 23.727,65.127 140.016,65.127 141.054,64.089 141.054,34.654 145.11,30.598 145.11,24.791 144.89,24.571 v1(144.89,24.484) ; D12.2@140.9,23.325 141.25,23.675 141.25,24.2 141.577,24.527 141.577,27.027 141.95,27.4 IC4.5@142.99,27.4 144.125,27.4 v1(144.175,27.35) ; L12.1@143.8,10.675 143.87,10.744 145.294,10.744 145.575,11.025 v1(145.575,12.275)
  Bottom Layer, Bottom w0.127: v1(144.175,27.35) 144.175,27.291 144.592,26.874 144.592,25.865 ; v1(144.89,24.484) 144.89,25.055 144.592,25.353 144.592,25.865 ; v1(145.575,12.275) 145.575,13.164 145.125,13.614 145.125,17.525 144.625,18.025 144.184,18.025 142.779,19.43 142.779,19.943 143.346,20.51 143.346,25.459 143.753,25.865 144.592,25.865
  Bottom Layer, Bottom w0.4: C16.1@21.4,65.85 21.415,65.865 K5.9@22.99,65.865
LNA_ON: C23.1 D15.2 IC4.12 K7.1 Q1.1 R3.2 | length 92.3
  Top Layer, Top w0.127: D15.2@151.3,26.25 151.019,26.531 150.659,26.531 149.791,27.4 147.995,27.4 147.65,27.745 147.65,31.65 143.594,35.706 143.594,65.157 141.525,67.226 141.525,71.162 141.8,71.437 141.967,71.604 150.496,71.604 150.875,71.225 150.875,65.35 151.139,65.087 151.914,65.087 K7.1@152.2,64.8 152.85,64.8 155.85,64.8 156.7,63.95 159.1,63.95 159.659,63.391 159.659,61.315 159.749,61.225 164.594,61.225 164.975,60.844 164.975,58.75 165.15,58.575 167.37,58.575 Q1.1@167.595,58.35
  Top Layer, Top w0.4: K7.1@152.85,64.8 153,64.95 153,65.6 154.05,66.65 154.05,67 C23.1@154.3,67.25
  Top Layer, Top w0.5: Q1.1@167.595,58.35 167.795,58.55 R3.2@168.95,58.55
LPF_ON: C38.1 D16.2 IC4.11 K12.1 | length 20.1
  Top Layer, Top w0.127: IC4.11@148.86,26.75 150.081,26.75 150.65,26.181 150.65,23.284 150.913,23.021 150.913,22.987 D16.2@151.3,22.6 151.65,22.95 151.65,23.191 152.448,23.989 152.448,24.348 152.448,26.889 154.471,28.912 156.653,28.912 156.94,28.625 K12.1@158.2,28.625
  Top Layer, Top w0.3: K12.1@158.2,28.625 159.675,28.625 160.425,29.375 C38.1@160.625,29.375
NetC1_1: C1.1 C2.2 C6.2 L1.2 L2.1 | length 10.4
  Top Layer, Top w0.9: L2.1@6.925,45.7 9.15,45.7 9.35,45.5 C2.2@9.55,45.5 ; L1.2@6.925,52.525 7,52.6 9.225,52.6 9.35,52.725 C1.1@9.55,52.725
  Top Layer, Top w2.814: 6.925,46.6 6.925,51.625
NetC1_2: C1.2 C5.2 K1.5 K1.6 L1.1 | length 5
  Top Layer, Top w2.814: K1.5@9.95,58.245 K1.6@14.978,58.245
NetC2_1: C2.1 C3.1 C7.2 C10.1 L2.2 L6.2 | length 12
  Top Layer, Top w0.9: 6.925,41.425 7.35,41 C10.1@10.425,41 10.425,38.85 L6.2@10.475,38.8 ; L2.2@6.925,43.4 9.15,43.4 9.35,43.6 C2.1@9.55,43.6 9.75,43.6 9.775,43.575 C7.2@11.875,43.575
  Top Layer, Top w2.814: 6.925,41.425 6.925,42.5